# Altium PCB Minion_1_SiC780A_Rev01.PcbDoc (part 2 of 6)
Units mil, origin at the board's own origin, x right, y up, seen from the top; angles counter-clockwise.
Board outline 3937.01 x 3937.01 mil, 4 copper layers (L1, L2, L3, L4), stack 62.087 mil thick; 410 components, 107 nets, 1950 pads, 1997 vias.
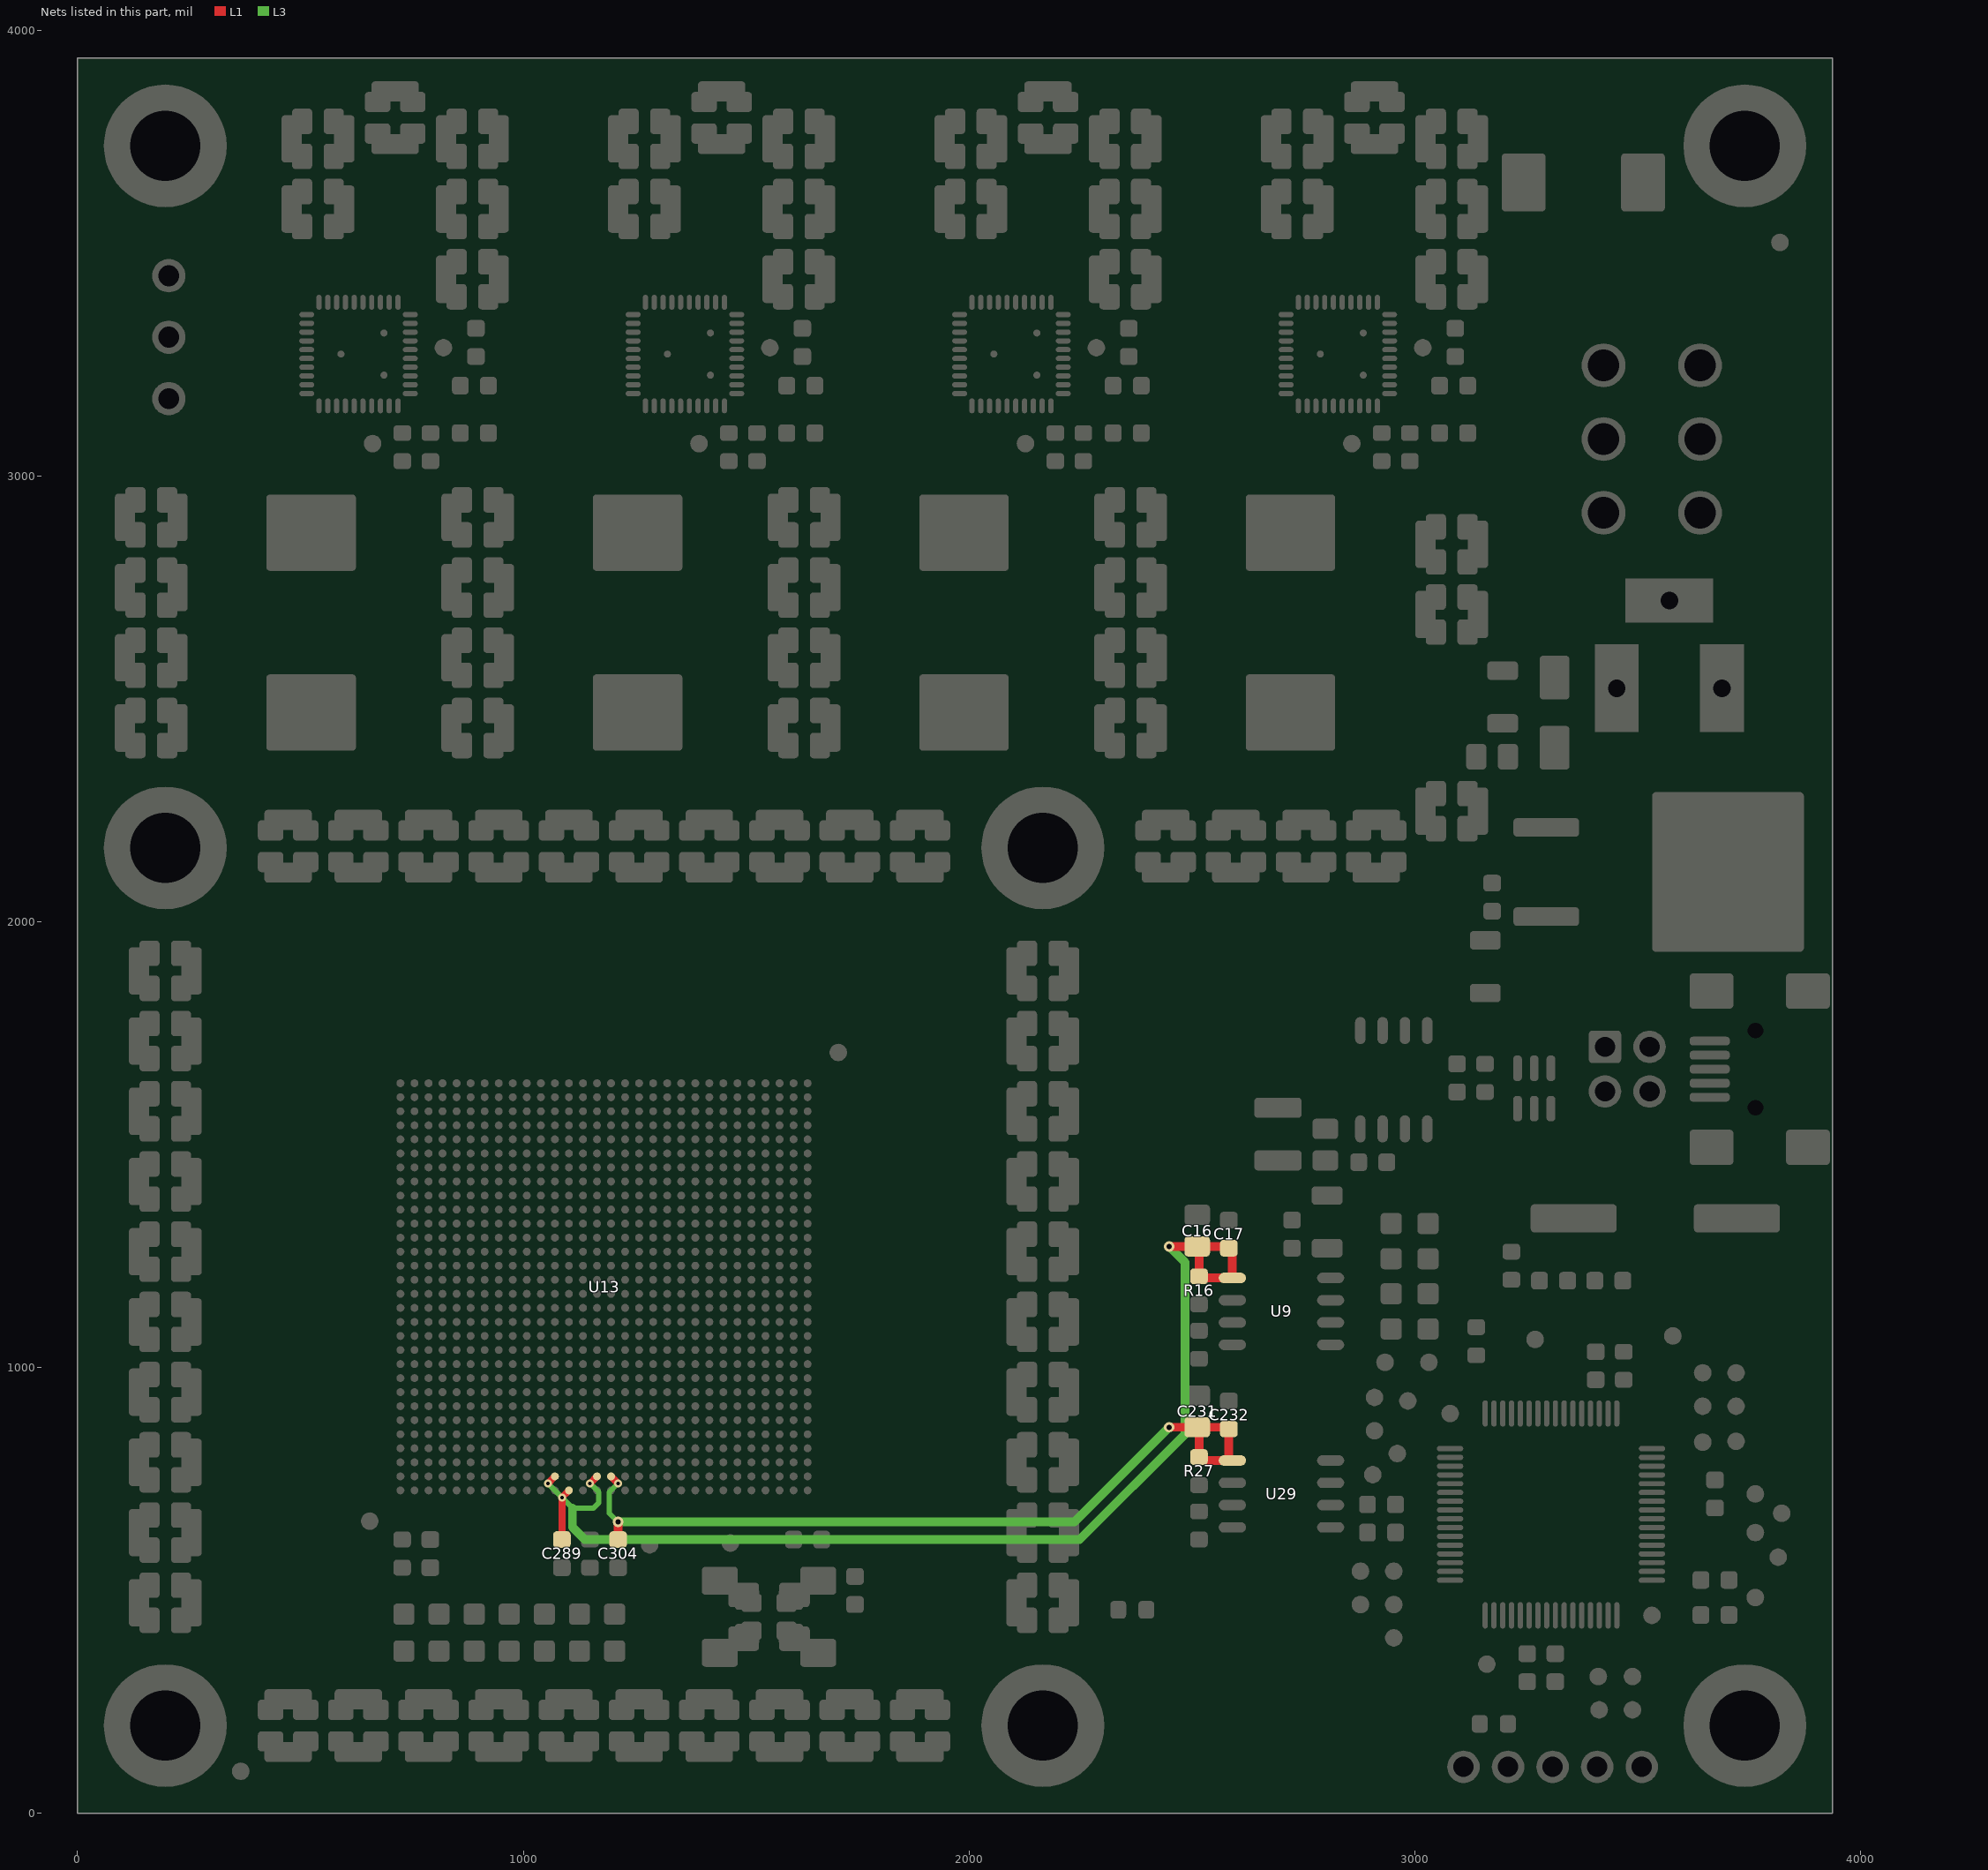
[diagram p4: the nets of this part, all layers, seen from the top]

## Components (designator, comment, footprint, x,y, rotation, side; value= is the part's Value field where it differs from the comment) (continued)
C603 "10uF" SMD_0805_CAPC2012X145N 539.37,3637.8 r180 top
C604 "100nF" SMD_0603_CAPC1608X95N 1744.09,500 r270 top
C605 "100uF" SMD_1210_CAPC3225X270N 539.37,3755.91 r0 top
C606 "10uF" SMD_0805_CAPC2012X145N 539.37,3795.28 r180 top
C608 "100nF" SMD_0603_CAPC1608X95N 3405.51,1003.94 r90 top
C640 "10uF" SMD_0805_CAPC2012X145N 2003.94,3559.06 r180 top
C642 "10uF" SMD_0805_CAPC2012X145N 2003.94,3716.54 r180 top
C652 "22uF" SMD_0805_CAPC2012X145N 511.81,2169.29 r270 top
C653 "220uF" SMD_1210_CAPC3225X279N 472.44,2169.29 r90 top
C654 "22uF" SMD_0805_CAPC2012X145N 433.07,2169.29 r270 top
C655 "22uF" SMD_0805_CAPC2012X145N 165.48,2473.81 r180 top
C656 "220uF" SMD_1210_CAPC3225X279N 165.48,2434.44 r0 top
C657 "22uF" SMD_0805_CAPC2012X145N 165.48,2395.07 r180 top
C658 "22uF" SMD_0805_CAPC2012X145N 826.77,2169.29 r270 top
C659 "220uF" SMD_1210_CAPC3225X279N 787.4,2169.29 r90 top
C660 "22uF" SMD_0805_CAPC2012X145N 748.03,2169.29 r270 top
C711 "10uF" SMD_0805_CAPC2012X145N 539.37,3559.06 r180 top
C814 "10uF" SMD_0805_CAPC2012X145N 539.37,3716.54 r180 top
D1 "Red SML210VT ROHM" SMD_0805_LED2012X100N 2988.19,1086.61 r0 top
D2 "Green  SML210MT ROHM" SMD_0805_LED2012X100N 2988.19,1165.35 r0 top
D3 "Yellow SML210YT ROHM" SMD_0805_LED2012X100N 2988.19,1322.83 r0 top
D4 "Orange  SML210DT ROHM" SMD_0805_LED2012X100N 2988.19,1244.09 r0 top
D5 "Red SML210VT ROHM" SMD_0805_LED2012X100N 1047.24,405.51 r90 top
D6 "SMS05T1G" SMD_SOT457_SOT95P275X110-6N 3267.72,1625.98 r270 top
D7 "Green  SML210MT ROHM" SMD_0805_LED2012X100N 732.28,405.51 r90 top
D8 "D_STKY" SMD_DO214AC_SMA 3313.33,2468.84 r90 top
D9 "Yellow SML210YT ROHM" SMD_0805_LED2012X100N 889.76,405.51 r90 top
D12 "Red SML210VT ROHM" SMD_0805_LED2012X100N 1125.98,405.51 r90 top
D13 "Green  SML210MT ROHM" SMD_0805_LED2012X100N 1204.72,405.51 r90 top
D16 "Yellow SML210YT ROHM" SMD_0805_LED2012X100N 811.02,405.51 r90 top
D17 "Orange  SML210DT ROHM" SMD_0805_LED2012X100N 968.5,405.51 r90 top
D28 "D_TVS_UNI" SMD_DO214AC_SMC 3377.84,3658.13 r180 top
FID1 "FIDUCIAL" FID100X200 366.14,94.49 r0 top
FID2 "FIDUCIAL" FID100X200 3818.9,3523.62 r0 top
J1 "CON_5PINS" PTH_HDRV05W64P254_1X05 3309.06,104.33 r0 top
J2 "CON_USB_MINI_1" SMD_CON-CVILUX-CU04-SCM15B0 3763.78,1669.29 r90 top
J3 "CON_3PINS" PTH_CON_HD-351-3P 204.72,3311.02 r90 top
J4 "CON_2ROWS_4PINS-2" PTH_HDRV40W6240P254_2X02_M 3476.38,1669.29 r270 top
J5 "CON_2ROWS_6PINS_1" PTH_CON_WR-MRC4-6P 3531.5,3082.68 r270 top
J6 "CON_POWER_JACK_3PIN" PTH_DC-POWER-JACK_210-112 3570.87,2523.62 r180 top
J9 "CON_1PIN" PTH_MTG400_700 196.85,196.85 r0 top
J13 "CON_1PIN" PTH_MTG400_700 2165.35,196.85 r0 top
J14 "CON_1PIN" PTH_MTG400_700 2165.35,2165.35 r0 top
J15 "CON_1PIN" PTH_MTG400_700 196.85,2165.35 r0 top
J22 "CON_1PIN" PTH_MTG400_700 3740.16,196.85 r0 top
J23 "CON_1PIN" PTH_MTG400_700 196.85,3740.16 r0 top
J24 "CON_1PIN" PTH_MTG400_700 3740.16,3740.16 r0 top
L3 "DB_VALUE" SMT_INDM135130X800N 1988.64,2670.85 r270 top
L7 "DB_VALUE" SMT_INDM135130X800N 2720.92,2670.85 r270 top
L10 "DB_VALUE" SMT_INDM135130X800N 524.07,2670.85 r270 top
L14 "DB_VALUE" SMT_INDM135130X800N 1256.36,2670.85 r270 top
R1 "10k" SMD_0603_RESC1608X55N 2193.36,3064.55 r270 top
R2 "10k" SMD_0603_RESC1608X55N 728.8,3064.55 r270 top
R3 "100R" SMD_0603_RESC1608X55N 791.79,3064.55 r90 top
R4 "100R" SMD_0603_RESC1608X55N 2256.36,3064.55 r90 top
R5 "10k" SMD_0603_RESC1608X55N 1461.08,3064.55 r270 top
R6 "10k" SMD_0603_RESC1608X55N 2366.14,456.69 r180 top
R7 "100R" SMD_0603_RESC1608X55N 1524.07,3064.55 r90 top
R9 "10k" SMD_0603_RESC1608X55N 3137.8,1059.06 r90 top
R13 "100R" SMD_1206_RESC3216X65N 3196.85,2503.94 r90 top
R14 "0R" SMD_1206_RESC3216X65N 2803.15,1326.77 r90 top
R16 "R_42k" SMD_0603_RESC1608X55N 2515.75,1173.23 r270 top
R17 "30k" SMD_0603_RESC1608X55N 2515.75,1051.18 r270 top
R19 "0R" SMD_0603_RESC1608X55N 1149.61,582.68 r90 top
R23 "10k" SMD_0603_RESC1608X55N 2925.65,3064.55 r270 top
R24 "100R" SMD_0603_RESC1608X55N 2988.64,3064.55 r90 top
R25 "0R" SMD_0603_RESC1608X55N 728.35,582.68 r90 top
R26 "10k" SMD_0603_RESC1608X55N 3216.54,1228.35 r270 top
R27 "2k" SMD_0603_RESC1608X55N 2515.75,767.72 r270 top
R28 "10k" SMD_0603_RESC1608X55N 2515.75,645.67 r270 top
R31 "10k" SMD_0603_RESC1608X55N 3177.17,200.79 r0 top
R32 "10k" SMD_0603_RESC1608X55N 3468.5,1003.94 r270 top
R33 "0R" SMD_0603_RESC1608X55N 3157.48,1649.61 r270 top
R34 "2R" SMD_1206_RESC3216X65N 3157.93,1899.2 r90 top
TP1 "TEST_POINT_1" SMD_TP_100-254 1464.57,606.3 r0 top
TP2 "TEST_POINT_1" SMD_TP_100-254 3645.67,988.19 r180 top
TP3 "TEST_POINT_1" SMD_TP_100-254 2952.76,468.5 r0 top
TP4 "100_254" SMD_TP_100-254 820.87,3287.4 r180 top
TP5 "TEST_POINT_1" SMD_TP_100-254 3411.42,307.09 r0 top
TP6 "TEST_POINT_1" SMD_TP_100-254 3488.19,232.28 r0 top
TP7 "TEST_POINT_1" SMD_TP_100-254 3488.19,307.09 r0 top
TP8 "100_254" SMD_TP_100-254 2285.43,3287.4 r180 top
TP9 "TEST_POINT_1" SMD_TP_100-254 1283.46,602.36 r0 top
TP10 "TEST_POINT_1" SMD_TP_100-254 3814.96,574.8 r0 top
TP11 "TEST_POINT_1" SMD_TP_100-254 3763.78,629.92 r0 top
TP12 "TEST_POINT_1" SMD_TP_100-254 2877.95,543.31 r180 top
TP13 "TEST_POINT_1" SMD_TP_100-254 3269.68,1062.99 r180 top
TP14 "TEST_POINT_1" SMD_TP_100-254 2877.95,468.5 r0 top
TP15 "100_254" SMD_TP_100-254 2126.44,3072.43 r0 top
TP16 "100_254" SMD_TP_100-254 1553.15,3287.4 r180 top
TP17 "TEST_POINT_1" SMD_TP_100-254 2909.45,933.07 r180 top
TP18 "TEST_POINT_1" SMD_TP_100-254 2905.51,759.84 r0 top
TP19 "TEST_POINT_1" SMD_TP_100-254 2960.63,807.09 r0 top
TP20 "TEST_POINT_1" SMD_TP_100-254 3031.5,1011.81 r0 top
TP21 "TEST_POINT_1" SMD_TP_100-254 3578.74,1070.87 r180 top
TP22 "TEST_POINT_1" SMD_TP_100-254 2933.07,1011.81 r180 top
TP23 "TEST_POINT_1" SMD_TP_100-254 2984.25,925.2 r180 top
TP25 "TEST_POINT_1" SMD_TP_100-254 2909.45,858.27 r0 top
TP26 "TEST_POINT_1" SMD_TP_100-254 3763.78,484.25 r0 top
TP27 "100_254" SMD_TP_100-254 2858.72,3072.43 r0 top
TP28 "TEST_POINT_1" SMD_TP_100-254 2952.76,543.31 r0 top
TP29 "TEST_POINT_1" SMD_TP_100-254 3413.39,232.28 r0 top
TP30 "100_254" SMD_TP_100-254 661.87,3072.43 r0 top
TP31 "100_254" SMD_TP_100-254 3017.72,3287.4 r0 top
TP32 "100_254" SMD_TP_100-254 1394.15,3072.43 r0 top
TP123 "TEST_POINT_1" SMD_TP_100-254 3720.47,834.65 r0 top
TP124 "TEST_POINT_1" SMD_TP_100-254 3645.67,832.68 r0 top
TP125 "TEST_POINT_1" SMD_TP_100-254 3720.47,913.39 r0 top
TP126 "TEST_POINT_1" SMD_TP_100-254 3645.67,913.39 r0 top
TP127 "TEST_POINT_1" SMD_TP_100-254 3720.47,988.19 r0 top
TP128 "TEST_POINT_1" SMD_TP_100-254 3161.42,334.65 r0 top
TP129 "TEST_POINT_1" SMD_TP_100-254 2952.76,393.7 r0 top
TP131 "TEST_POINT_1" SMD_TP_100-254 3822.83,673.23 r0 top
TP132 "TEST_POINT_1" SMD_TP_100-254 3763.78,716.54 r0 top
U1 "DB_VALUE" SMD_QFN50P600X600X80-43 2094.94,3273.22 r180 top
U6 "IC_BD33KA5WF" SMD_SOIC127P620X160-8N 2952.76,1645.67 r90 top
U7 "L7805CD2T-TR" SMD_TO254P1542X460-3_4N 3546.81,2111.54 r0 top
U9 "IC_BD18KA5WF" SMD_SOIC127P620X160-8N 2700.79,1125.98 r0 top
U10 "IC_DSPIC33EP256MU806-QFN64" SMD_QFP50P1200X1200X120-64N 3305.41,670.59 r90 top
U13 "Minion_99s256" SMD_BGA900C80P30X30 1181.1,1181.1 r0 top
U17 "DB_VALUE" SMD_QFN50P600X600X80-43 2827.22,3273.22 r180 top
U20 "DB_VALUE" SMD_QFN50P600X600X80-43 630.37,3273.22 r180 top
U24 "DB_VALUE" SMD_QFN50P600X600X80-43 1362.66,3273.22 r180 top
U29 "IC_BD00KA5WF" SMD_SOIC127P620X160-8N 2700.79,716.54 r0 top
Y1 "XTAL" SMD_HC49_XTAL1140X480X420N 3539.37,1334.65 r180 top
YO4 "(OPT)XTAL_TXC 16 MHz_DFN_2X2.5MM" SMD_OSCCF200X250X90-4N 1551.18,440.94 r270 top
YO5 "XTAL_TXC 16 MHz_DFN_2.5X3.2MM" SMD_OSCCF250X320X90-4N 1551.18,440.94 r270 top
YO6 "(OPT)XTAL_TXC 16 MHz_DFN_3.2x5mm" SMD_OSCCF320X400X90-4N 1551.18,440.94 r270 top
YO7 "(OPT)XTAL_TXC 16 MHz_TA_7x5mm" SMD_OSCCC500X700X100-4N 1551.18,440.94 r270 top

## Footprints (in the part's own frame and the unit in brackets; to place one, negate y for a bottom-side part, rotate by r counter-clockwise, add the part's x,y. Pads: shape width x height; smd on the part's side, far side on the other; paste and mask are expansions set on the pad)
FID100X200 [mm]
  round 1 smd paste-0.5 mask+0.5: 1(0,0)
  L1 keep-out region: 1.05,0 0.969,0.406 0.74,0.749 0.396,0.979 -0.01,1.06 -0.01,1.06 -0.415,0.979 -0.759,0.749 -0.989,0.406 -1.069,0 -1.069,0 -0.989,-0.406 -0.759,-0.749 -0.415,-0.979 -0.01,-1.06 -0.01,-1.06 0.396,-0.979 0.74,-0.749 0.969,-0.406 1.05,0
PTH_CON_HD-351-3P [mm]
  round 1.9 hole 1.2 mask+0.075: 1(-3.5,0) 2(0,0) 3(3.5,0)
  silkscreen extent -5.3,0.95 5.3,3.8, body extent -5.25,-3.75 5.25,3.75, height 8.7
PTH_CON_WR-MRC4-6P [mm]
  round 2.5 hole 1.8 mask+0.075: 1(-4.2,2.75) 2(0,2.75) 3(4.2,2.75) 4(-4.2,-2.75) 5(0,-2.75) 6(4.2,-2.75)
  silkscreen extent -7,1.5 6.95,16.7, body extent -6.9,-3.32 6.9,16.65, height 11.35
PTH_DC-POWER-JACK_210-112 [mm]
  rect 2.5x5 hole 1 slot 3.4 at 90 deg mask+0.075: 1(3,0)
  rect 5x2.5 hole 1 slot 2.5 at 0 deg mask+0.075: 2(0,-5)
  rect 2.5x5 hole 1 slot 2.7 at 90 deg mask+0.075: 3(-3,0)
  silkscreen extent -11.2,-6.69 4.67,4.79, body extent -10.66,-5.3 3.84,4.5, height 11
PTH_HDRV05W64P254_1X05 [mm]
  round 1.85 hole 1.15 mask+0.075: 1(-5.08,0) 2(-2.54,0) 3(0,0) 4(2.54,0) 5(5.08,0)
  silkscreen extent -6.35,-1.25 6.35,1.25, body extent -6.35,-1.25 6.35,1.25, height 8
PTH_HDRV40W6240P254_2X02_M [mm]
  rrect22% 1.85x1.85 / inner round 1.85 / far side rrect22% 1.85x1.85 hole 1.15 mask+0.075: 1(-1.27,-1.27)
  round 1.85 hole 1.15 mask+0.075: 2(-1.27,1.27) 3(1.27,-1.27) 4(1.27,1.27)
  silkscreen extent -2.5,-2.55 2.5,2.55, body extent -2.54,-2.54 2.54,2.54, height 8.5
PTH_MTG400_700 [mm]
  round 7 / inner round 5 / far side round 7 hole 4 mask+0.075: 1(0,0)
  silkscreen extent -3.85,-3.85 3.85,3.85
SMD_0603_CAPC1608X95N [mm]
  rrect42% 0.95x1 smd mask+0.075: 1(-0.8,0) 2(0.8,0)
  body extent -0.8,-0.4 0.8,0.4, height 0.95
SMD_0603_RESC1608X55N [mm]
  rrect44% 0.9x1 smd mask+0.075: 1(-0.8,0) 2(0.8,0)
  body extent -0.8,-0.4 0.8,0.4, height 0.55
SMD_0805_CAPC2012X145N [mm]
  rrect35% 1.15x1.45 smd mask+0.075: 1(-0.9,0) 2(0.9,0)
  body extent -1,-0.6 1,0.6, height 1.45
SMD_0805_LED2012X100N [mm]
  rrect33% 1.2x1.2 smd mask+0.075: 1(-1.05,0) 2(1.05,0)
  body extent -1,-0.62 1,0.63, height 0.98
SMD_1206_RESC3216X65N [mm]
  rrect38% 1.05x1.75 smd mask+0.075: 1(-1.5,0) 2(1.5,0)
  silkscreen extent -0.65,-0.85 0.65,0.85, body extent -1.6,-0.8 1.6,0.8, height 0.65
SMD_1210_CAPC3225X270N [mm]
  rrect35% 1.15x2.7 smd mask+0.075: 1(-1.5,0) 2(1.5,0)
  silkscreen extent -0.6,-1.35 0.6,1.35, body extent -1.6,-1.25 1.6,1.25, height 2.7
SMD_1210_CAPC3225X279N [mm]
  rrect35% 1.15x2.7 smd mask+0.075: 1(-1.5,0) 2(1.5,0)
  silkscreen extent -0.6,-1.35 0.6,1.35, body extent -1.6,-1.25 1.6,1.25, height 2.79
SMD_BGA900C80P30X30 [mm]
  round 0.45 smd mask+0.05: A1(-11.6,11.6) A2(-10.8,11.6) A3(-10,11.6) A4(-9.2,11.6) A5(-8.4,11.6) A6(-7.6,11.6) A7(-6.8,11.6) A8(-6,11.6) A9(-5.2,11.6) A10(-4.4,11.6) A11(-3.6,11.6) A12(-2.8,11.6) A13(-2,11.6) A14(-1.2,11.6) A15(-0.4,11.6) A16(0.4,11.6) A17(1.2,11.6) A18(2,11.6) A19(2.8,11.6) A20(3.6,11.6) A21(4.4,11.6) A22(5.2,11.6) A23(6,11.6) A24(6.8,11.6) A25(7.6,11.6) A26(8.4,11.6) A27(9.2,11.6) A28(10,11.6) A29(10.8,11.6) A30(11.6,11.6) AA1(-11.6,-4.4) AA2(-10.8,-4.4) AA3(-10,-4.4) AA4(-9.2,-4.4) AA5(-8.4,-4.4) AA6(-7.6,-4.4) AA7(-6.8,-4.4) AA8(-6,-4.4) AA9(-5.2,-4.4) AA10(-4.4,-4.4) AA11(-3.6,-4.4) AA12(-2.8,-4.4) AA13(-2,-4.4) AA14(-1.2,-4.4) AA15(-0.4,-4.4) AA16(0.4,-4.4) AA17(1.2,-4.4) AA18(2,-4.4) AA19(2.8,-4.4) AA20(3.6,-4.4) AA21(4.4,-4.4) AA22(5.2,-4.4) AA23(6,-4.4) AA24(6.8,-4.4) AA25(7.6,-4.4) AA26(8.4,-4.4) AA27(9.2,-4.4) AA28(10,-4.4) AA29(10.8,-4.4) AA30(11.6,-4.4) AB1(-11.6,-5.2) AB2(-10.8,-5.2) AB3(-10,-5.2) AB4(-9.2,-5.2) AB5(-8.4,-5.2) AB6(-7.6,-5.2) AB7(-6.8,-5.2) AB8(-6,-5.2) AB9(-5.2,-5.2) AB10(-4.4,-5.2) AB11(-3.6,-5.2) AB12(-2.8,-5.2) AB13(-2,-5.2) AB14(-1.2,-5.2) AB15(-0.4,-5.2) AB16(0.4,-5.2) AB17(1.2,-5.2) AB18(2,-5.2) AB19(2.8,-5.2) AB20(3.6,-5.2) AB21(4.4,-5.2) AB22(5.2,-5.2) AB23(6,-5.2) AB24(6.8,-5.2) AB25(7.6,-5.2) AB26(8.4,-5.2) AB27(9.2,-5.2) AB28(10,-5.2) AB29(10.8,-5.2) AB30(11.6,-5.2) AC1(-11.6,-6) AC2(-10.8,-6) AC3(-10,-6) AC4(-9.2,-6) AC5(-8.4,-6) AC6(-7.6,-6) AC7(-6.8,-6) AC8(-6,-6) AC9(-5.2,-6) AC10(-4.4,-6) AC11(-3.6,-6) AC12(-2.8,-6) AC13(-2,-6) AC14(-1.2,-6) AC15(-0.4,-6) AC16(0.4,-6) AC17(1.2,-6) AC18(2,-6) AC19(2.8,-6) AC20(3.6,-6) AC21(4.4,-6) AC22(5.2,-6) AC23(6,-6) AC24(6.8,-6) AC25(7.6,-6) AC26(8.4,-6) AC27(9.2,-6) AC28(10,-6) AC29(10.8,-6) AC30(11.6,-6) AD1(-11.6,-6.8) AD2(-10.8,-6.8) AD3(-10,-6.8) AD4(-9.2,-6.8) AD5(-8.4,-6.8) AD6(-7.6,-6.8) AD7(-6.8,-6.8) AD8(-6,-6.8) AD9(-5.2,-6.8) AD10(-4.4,-6.8) AD11(-3.6,-6.8) AD12(-2.8,-6.8) AD13(-2,-6.8) AD14(-1.2,-6.8) AD15(-0.4,-6.8) AD16(0.4,-6.8) AD17(1.2,-6.8) AD18(2,-6.8) AD19(2.8,-6.8) AD20(3.6,-6.8) AD21(4.4,-6.8) AD22(5.2,-6.8) AD23(6,-6.8) AD24(6.8,-6.8) AD25(7.6,-6.8) AD26(8.4,-6.8) AD27(9.2,-6.8) AD28(10,-6.8) AD29(10.8,-6.8) AD30(11.6,-6.8) AE1(-11.6,-7.6) AE2(-10.8,-7.6) AE3(-10,-7.6) AE4(-9.2,-7.6) AE5(-8.4,-7.6) AE6(-7.6,-7.6) AE7(-6.8,-7.6) AE8(-6,-7.6) AE9(-5.2,-7.6) AE10(-4.4,-7.6) AE11(-3.6,-7.6) AE12(-2.8,-7.6) AE13(-2,-7.6) AE14(-1.2,-7.6) AE15(-0.4,-7.6) AE16(0.4,-7.6) AE17(1.2,-7.6) AE18(2,-7.6) AE19(2.8,-7.6) AE20(3.6,-7.6) AE21(4.4,-7.6) AE22(5.2,-7.6) AE23(6,-7.6) AE24(6.8,-7.6) AE25(7.6,-7.6) AE26(8.4,-7.6) AE27(9.2,-7.6) AE28(10,-7.6) AE29(10.8,-7.6) AE30(11.6,-7.6) AF1(-11.6,-8.4) AF2(-10.8,-8.4) AF3(-10,-8.4) AF4(-9.2,-8.4) AF5(-8.4,-8.4) AF6(-7.6,-8.4) AF7(-6.8,-8.4) AF8(-6,-8.4) AF9(-5.2,-8.4) AF10(-4.4,-8.4) AF11(-3.6,-8.4) AF12(-2.8,-8.4) AF13(-2,-8.4) AF14(-1.2,-8.4) AF15(-0.4,-8.4) AF16(0.4,-8.4) AF17(1.2,-8.4) AF18(2,-8.4) AF19(2.8,-8.4) AF20(3.6,-8.4) AF21(4.4,-8.4) AF22(5.2,-8.4) AF23(6,-8.4) AF24(6.8,-8.4) AF25(7.6,-8.4) AF26(8.4,-8.4) AF27(9.2,-8.4) AF28(10,-8.4) AF29(10.8,-8.4) AF30(11.6,-8.4) AG1(-11.6,-9.2) AG2(-10.8,-9.2) AG3(-10,-9.2) AG4(-9.2,-9.2) AG5(-8.4,-9.2) AG6(-7.6,-9.2) AG7(-6.8,-9.2) AG8(-6,-9.2) AG9(-5.2,-9.2) AG10(-4.4,-9.2) AG11(-3.6,-9.2) AG12(-2.8,-9.2) AG13(-2,-9.2) AG14(-1.2,-9.2) AG15(-0.4,-9.2) AG16(0.4,-9.2) AG17(1.2,-9.2) AG18(2,-9.2) AG19(2.8,-9.2) AG20(3.6,-9.2) AG21(4.4,-9.2) AG22(5.2,-9.2) AG23(6,-9.2) AG24(6.8,-9.2) AG25(7.6,-9.2) AG26(8.4,-9.2) AG27(9.2,-9.2) AG28(10,-9.2) AG29(10.8,-9.2) AG30(11.6,-9.2) AH1(-11.6,-10) AH2(-10.8,-10) AH3(-10,-10) AH4(-9.2,-10) AH5(-8.4,-10) AH6(-7.6,-10) AH7(-6.8,-10) AH8(-6,-10) AH9(-5.2,-10) AH10(-4.4,-10) AH11(-3.6,-10) AH12(-2.8,-10) AH13(-2,-10) AH14(-1.2,-10) AH15(-0.4,-10) AH16(0.4,-10) AH17(1.2,-10) AH18(2,-10) AH19(2.8,-10) AH20(3.6,-10) AH21(4.4,-10) AH22(5.2,-10) AH23(6,-10) AH24(6.8,-10) AH25(7.6,-10) AH26(8.4,-10) AH27(9.2,-10) AH28(10,-10) AH29(10.8,-10) AH30(11.6,-10) AJ1(-11.6,-10.8) AJ2(-10.8,-10.8) AJ3(-10,-10.8) AJ4(-9.2,-10.8) AJ5(-8.4,-10.8) AJ6(-7.6,-10.8) AJ7(-6.8,-10.8) AJ8(-6,-10.8) AJ9(-5.2,-10.8) AJ10(-4.4,-10.8) AJ11(-3.6,-10.8) AJ12(-2.8,-10.8) AJ13(-2,-10.8) AJ14(-1.2,-10.8) AJ15(-0.4,-10.8) AJ16(0.4,-10.8) AJ17(1.2,-10.8) AJ18(2,-10.8) AJ19(2.8,-10.8) AJ20(3.6,-10.8) AJ21(4.4,-10.8) AJ22(5.2,-10.8) AJ23(6,-10.8) AJ24(6.8,-10.8) AJ25(7.6,-10.8) AJ26(8.4,-10.8) AJ27(9.2,-10.8) AJ28(10,-10.8) AJ29(10.8,-10.8) AJ30(11.6,-10.8) AK1(-11.6,-11.6) AK2(-10.8,-11.6) AK3(-10,-11.6) AK4(-9.2,-11.6) AK5(-8.4,-11.6) AK6(-7.6,-11.6) AK7(-6.8,-11.6) AK8(-6,-11.6) AK9(-5.2,-11.6) AK10(-4.4,-11.6) AK11(-3.6,-11.6) AK12(-2.8,-11.6) AK13(-2,-11.6) AK14(-1.2,-11.6) AK15(-0.4,-11.6) AK16(0.4,-11.6) AK17(1.2,-11.6) AK18(2,-11.6) AK19(2.8,-11.6) AK20(3.6,-11.6) AK21(4.4,-11.6) AK22(5.2,-11.6) AK23(6,-11.6) AK24(6.8,-11.6) AK25(7.6,-11.6) AK26(8.4,-11.6) AK27(9.2,-11.6) AK28(10,-11.6) AK29(10.8,-11.6) AK30(11.6,-11.6) B1(-11.6,10.8) B2(-10.8,10.8) B3(-10,10.8) B4(-9.2,10.8) B5(-8.4,10.8) B6(-7.6,10.8) B7(-6.8,10.8) B8(-6,10.8) B9(-5.2,10.8) B10(-4.4,10.8) B11(-3.6,10.8) B12(-2.8,10.8) B13(-2,10.8) B14(-1.2,10.8) B15(-0.4,10.8) B16(0.4,10.8) B17(1.2,10.8) B18(2,10.8) B19(2.8,10.8) B20(3.6,10.8) B21(4.4,10.8) B22(5.2,10.8) B23(6,10.8) B24(6.8,10.8) B25(7.6,10.8) B26(8.4,10.8) B27(9.2,10.8) B28(10,10.8) B29(10.8,10.8) B30(11.6,10.8) C1(-11.6,10) C2(-10.8,10) C3(-10,10) C4(-9.2,10) C5(-8.4,10) C6(-7.6,10) C7(-6.8,10) C8(-6,10) C9(-5.2,10) C10(-4.4,10) C11(-3.6,10) C12(-2.8,10) C13(-2,10) C14(-1.2,10) C15(-0.4,10) C16(0.4,10) C17(1.2,10) C18(2,10) C19(2.8,10) C20(3.6,10) C21(4.4,10) C22(5.2,10) C23(6,10) C24(6.8,10) C25(7.6,10) C26(8.4,10) C27(9.2,10) C28(10,10) C29(10.8,10) C30(11.6,10) D1(-11.6,9.2) D2(-10.8,9.2) D3(-10,9.2) D4(-9.2,9.2) D5(-8.4,9.2) D6(-7.6,9.2) D7(-6.8,9.2) D8(-6,9.2) D9(-5.2,9.2) D10(-4.4,9.2) D11(-3.6,9.2) D12(-2.8,9.2) D13(-2,9.2) D14(-1.2,9.2) D15(-0.4,9.2) D16(0.4,9.2) D17(1.2,9.2) D18(2,9.2) D19(2.8,9.2) D20(3.6,9.2) D21(4.4,9.2) D22(5.2,9.2) D23(6,9.2) D24(6.8,9.2) D25(7.6,9.2) D26(8.4,9.2) D27(9.2,9.2) D28(10,9.2) D29(10.8,9.2) D30(11.6,9.2) E1(-11.6,8.4) E2(-10.8,8.4) E3(-10,8.4) E4(-9.2,8.4) E5(-8.4,8.4) E6(-7.6,8.4) E7(-6.8,8.4) E8(-6,8.4) E9(-5.2,8.4) E10(-4.4,8.4) E11(-3.6,8.4) E12(-2.8,8.4) E13(-2,8.4) E14(-1.2,8.4) E15(-0.4,8.4) E16(0.4,8.4) E17(1.2,8.4) E18(2,8.4) E19(2.8,8.4) E20(3.6,8.4) E21(4.4,8.4) E22(5.2,8.4) E23(6,8.4) E24(6.8,8.4) E25(7.6,8.4) E26(8.4,8.4) E27(9.2,8.4) E28(10,8.4) E29(10.8,8.4) E30(11.6,8.4) F1(-11.6,7.6) F2(-10.8,7.6) F3(-10,7.6) F4(-9.2,7.6) F5(-8.4,7.6) F6(-7.6,7.6) F7(-6.8,7.6) F8(-6,7.6) F9(-5.2,7.6) F10(-4.4,7.6) F11(-3.6,7.6) F12(-2.8,7.6) F13(-2,7.6) F14(-1.2,7.6) F15(-0.4,7.6) F16(0.4,7.6) F17(1.2,7.6) F18(2,7.6) F19(2.8,7.6) F20(3.6,7.6) F21(4.4,7.6) F22(5.2,7.6) F23(6,7.6) F24(6.8,7.6) F25(7.6,7.6) F26(8.4,7.6) F27(9.2,7.6) F28(10,7.6) F29(10.8,7.6) F30(11.6,7.6) G1(-11.6,6.8) G2(-10.8,6.8) G3(-10,6.8) G4(-9.2,6.8) G5(-8.4,6.8) G6(-7.6,6.8) G7(-6.8,6.8) G8(-6,6.8) G9(-5.2,6.8) G10(-4.4,6.8) G11(-3.6,6.8) G12(-2.8,6.8) G13(-2,6.8) G14(-1.2,6.8) G15(-0.4,6.8) G16(0.4,6.8) G17(1.2,6.8) G18(2,6.8) G19(2.8,6.8) G20(3.6,6.8) G21(4.4,6.8) G22(5.2,6.8) G23(6,6.8) G24(6.8,6.8) G25(7.6,6.8) G26(8.4,6.8) G27(9.2,6.8) G28(10,6.8) G29(10.8,6.8) G30(11.6,6.8) H1(-11.6,6) H2(-10.8,6) H3(-10,6) H4(-9.2,6) H5(-8.4,6) H6(-7.6,6) H7(-6.8,6) H8(-6,6) H9(-5.2,6) H10(-4.4,6) H11(-3.6,6) H12(-2.8,6) H13(-2,6) H14(-1.2,6) H15(-0.4,6) H16(0.4,6) H17(1.2,6) H18(2,6) H19(2.8,6) H20(3.6,6) H21(4.4,6) H22(5.2,6) H23(6,6) H24(6.8,6) H25(7.6,6) H26(8.4,6) H27(9.2,6) H28(10,6) H29(10.8,6) H30(11.6,6) J1(-11.6,5.2) J2(-10.8,5.2) J3(-10,5.2) J4(-9.2,5.2) J5(-8.4,5.2) J6(-7.6,5.2) J7(-6.8,5.2) J8(-6,5.2) J9(-5.2,5.2) J10(-4.4,5.2) J11(-3.6,5.2) J12(-2.8,5.2) J13(-2,5.2) J14(-1.2,5.2) J15(-0.4,5.2) J16(0.4,5.2) J17(1.2,5.2) J18(2,5.2) J19(2.8,5.2) J20(3.6,5.2) J21(4.4,5.2) J22(5.2,5.2) J23(6,5.2) J24(6.8,5.2) J25(7.6,5.2) J26(8.4,5.2) J27(9.2,5.2) J28(10,5.2) J29(10.8,5.2) J30(11.6,5.2) K1(-11.6,4.4) K2(-10.8,4.4) K3(-10,4.4) K4(-9.2,4.4) K5(-8.4,4.4) K6(-7.6,4.4) K7(-6.8,4.4) K8(-6,4.4) K9(-5.2,4.4) K10(-4.4,4.4) K11(-3.6,4.4) K12(-2.8,4.4) K13(-2,4.4) K14(-1.2,4.4) K15(-0.4,4.4) K16(0.4,4.4) K17(1.2,4.4) K18(2,4.4) K19(2.8,4.4) K20(3.6,4.4) K21(4.4,4.4) K22(5.2,4.4) K23(6,4.4) K24(6.8,4.4) K25(7.6,4.4) K26(8.4,4.4) K27(9.2,4.4) K28(10,4.4) K29(10.8,4.4) K30(11.6,4.4) L1(-11.6,3.6) L2(-10.8,3.6) L3(-10,3.6) L4(-9.2,3.6) L5(-8.4,3.6) L6(-7.6,3.6) L7(-6.8,3.6) L8(-6,3.6) L9(-5.2,3.6) L10(-4.4,3.6) L11(-3.6,3.6) L12(-2.8,3.6) L13(-2,3.6) L14(-1.2,3.6) L15(-0.4,3.6) L16(0.4,3.6) L17(1.2,3.6) L18(2,3.6) L19(2.8,3.6) L20(3.6,3.6) L21(4.4,3.6) L22(5.2,3.6) L23(6,3.6) L24(6.8,3.6) L25(7.6,3.6) L26(8.4,3.6) L27(9.2,3.6) L28(10,3.6) L29(10.8,3.6) L30(11.6,3.6) M1(-11.6,2.8) M2(-10.8,2.8) M3(-10,2.8) M4(-9.2,2.8) M5(-8.4,2.8) M6(-7.6,2.8) M7(-6.8,2.8) M8(-6,2.8) M9(-5.2,2.8) M10(-4.4,2.8) M11(-3.6,2.8) M12(-2.8,2.8) M13(-2,2.8) M14(-1.2,2.8) M15(-0.4,2.8) M16(0.4,2.8) M17(1.2,2.8) M18(2,2.8) M19(2.8,2.8) M20(3.6,2.8) M21(4.4,2.8) M22(5.2,2.8) M23(6,2.8) M24(6.8,2.8) M25(7.6,2.8) M26(8.4,2.8) M27(9.2,2.8) M28(10,2.8) M29(10.8,2.8) M30(11.6,2.8) N1(-11.6,2) N2(-10.8,2) N3(-10,2) N4(-9.2,2) N5(-8.4,2) N6(-7.6,2) N7(-6.8,2) N8(-6,2) N9(-5.2,2) N10(-4.4,2) N11(-3.6,2) N12(-2.8,2) N13(-2,2) N14(-1.2,2) N15(-0.4,2) N16(0.4,2) N17(1.2,2) N18(2,2) N19(2.8,2) N20(3.6,2) N21(4.4,2) N22(5.2,2) N23(6,2) N24(6.8,2) N25(7.6,2) N26(8.4,2) N27(9.2,2) N28(10,2) N29(10.8,2) N30(11.6,2) P1(-11.6,1.2) P2(-10.8,1.2) P3(-10,1.2) P4(-9.2,1.2) P5(-8.4,1.2) P6(-7.6,1.2) P7(-6.8,1.2) P8(-6,1.2) P9(-5.2,1.2) P10(-4.4,1.2) P11(-3.6,1.2) P12(-2.8,1.2) P13(-2,1.2) P14(-1.2,1.2) P15(-0.4,1.2) P16(0.4,1.2) P17(1.2,1.2) P18(2,1.2) P19(2.8,1.2) P20(3.6,1.2) P21(4.4,1.2) P22(5.2,1.2) P23(6,1.2) P24(6.8,1.2) P25(7.6,1.2) P26(8.4,1.2) P27(9.2,1.2) P28(10,1.2) P29(10.8,1.2) P30(11.6,1.2) R1(-11.6,0.4) R2(-10.8,0.4) R3(-10,0.4) R4(-9.2,0.4) R5(-8.4,0.4) R6(-7.6,0.4) R7(-6.8,0.4) R8(-6,0.4) R9(-5.2,0.4) R10(-4.4,0.4) R11(-3.6,0.4) R12(-2.8,0.4) R13(-2,0.4) R14(-1.2,0.4) R15(-0.4,0.4) R16(0.4,0.4) R17(1.2,0.4) R18(2,0.4) R19(2.8,0.4) R20(3.6,0.4) R21(4.4,0.4) R22(5.2,0.4) R23(6,0.4) R24(6.8,0.4) R25(7.6,0.4) R26(8.4,0.4) R27(9.2,0.4) R28(10,0.4) R29(10.8,0.4) R30(11.6,0.4) T1(-11.6,-0.4) T2(-10.8,-0.4) T3(-10,-0.4) T4(-9.2,-0.4) T5(-8.4,-0.4) T6(-7.6,-0.4) T7(-6.8,-0.4) T8(-6,-0.4) T9(-5.2,-0.4) T10(-4.4,-0.4) T11(-3.6,-0.4) T12(-2.8,-0.4) T13(-2,-0.4) T14(-1.2,-0.4) T15(-0.4,-0.4) T16(0.4,-0.4) T17(1.2,-0.4) T18(2,-0.4) T19(2.8,-0.4) T20(3.6,-0.4) T21(4.4,-0.4) T22(5.2,-0.4) T23(6,-0.4) T24(6.8,-0.4) T25(7.6,-0.4) T26(8.4,-0.4) T27(9.2,-0.4) T28(10,-0.4) T29(10.8,-0.4) T30(11.6,-0.4) U1(-11.6,-1.2) U2(-10.8,-1.2) U3(-10,-1.2) U4(-9.2,-1.2) U5(-8.4,-1.2) U6(-7.6,-1.2) U7(-6.8,-1.2) U8(-6,-1.2) U9(-5.2,-1.2) U10(-4.4,-1.2) U11(-3.6,-1.2) U12(-2.8,-1.2) U13(-2,-1.2) U14(-1.2,-1.2) U15(-0.4,-1.2) U16(0.4,-1.2) U17(1.2,-1.2) U18(2,-1.2) U19(2.8,-1.2) U20(3.6,-1.2) U21(4.4,-1.2) U22(5.2,-1.2) U23(6,-1.2) U24(6.8,-1.2) U25(7.6,-1.2) U26(8.4,-1.2) U27(9.2,-1.2) U28(10,-1.2) U29(10.8,-1.2) U30(11.6,-1.2) V1(-11.6,-2) V2(-10.8,-2) V3(-10,-2) V4(-9.2,-2) V5(-8.4,-2) V6(-7.6,-2) V7(-6.8,-2) V8(-6,-2) V9(-5.2,-2) V10(-4.4,-2) V11(-3.6,-2) V12(-2.8,-2) V13(-2,-2) V14(-1.2,-2) V15(-0.4,-2) V16(0.4,-2) V17(1.2,-2) V18(2,-2) V19(2.8,-2) V20(3.6,-2) V21(4.4,-2) V22(5.2,-2) V23(6,-2) V24(6.8,-2) V25(7.6,-2) V26(8.4,-2) V27(9.2,-2) V28(10,-2) V29(10.8,-2) V30(11.6,-2) W1(-11.6,-2.8) W2(-10.8,-2.8) W3(-10,-2.8) W4(-9.2,-2.8) W5(-8.4,-2.8) W6(-7.6,-2.8) W7(-6.8,-2.8) W8(-6,-2.8) W9(-5.2,-2.8) W10(-4.4,-2.8) W11(-3.6,-2.8) W12(-2.8,-2.8) W13(-2,-2.8) W14(-1.2,-2.8) W15(-0.4,-2.8) W16(0.4,-2.8) W17(1.2,-2.8) W18(2,-2.8) W19(2.8,-2.8) W20(3.6,-2.8) W21(4.4,-2.8) W22(5.2,-2.8) W23(6,-2.8) W24(6.8,-2.8) W25(7.6,-2.8) W26(8.4,-2.8) W27(9.2,-2.8) W28(10,-2.8) W29(10.8,-2.8) W30(11.6,-2.8) Y1(-11.6,-3.6) Y2(-10.8,-3.6) Y3(-10,-3.6) Y4(-9.2,-3.6) Y5(-8.4,-3.6) Y6(-7.6,-3.6) Y7(-6.8,-3.6) Y8(-6,-3.6) Y9(-5.2,-3.6) Y10(-4.4,-3.6) Y11(-3.6,-3.6) Y12(-2.8,-3.6) Y13(-2,-3.6) Y14(-1.2,-3.6) Y15(-0.4,-3.6) Y16(0.4,-3.6) Y17(1.2,-3.6) Y18(2,-3.6) Y19(2.8,-3.6) Y20(3.6,-3.6) Y21(4.4,-3.6) Y22(5.2,-3.6) Y23(6,-3.6) Y24(6.8,-3.6) Y25(7.6,-3.6) Y26(8.4,-3.6) Y27(9.2,-3.6) Y28(10,-3.6) Y29(10.8,-3.6) Y30(11.6,-3.6)
  round 1 smd mask+0.5: FID1(-13.35,-13.35) FID2(13.35,13.35)
  L1 keep-out region: 14.35,13.35 14.274,13.733 14.057,14.057 13.733,14.274 13.35,14.35 13.35,14.35 12.967,14.274 12.643,14.057 12.426,13.733 12.35,13.35 12.35,13.35 12.426,12.967 12.643,12.643 12.967,12.426 13.35,12.35 13.35,12.35 13.733,12.426 14.057,12.643 14.274,12.967 14.35,13.35
  L1 keep-out region: -12.35,-13.35 -12.426,-12.967 -12.643,-12.643 -12.967,-12.426 -13.35,-12.35 -13.35,-12.35 -13.733,-12.426 -14.057,-12.643 -14.274,-12.967 -14.35,-13.35 -14.35,-13.35 -14.274,-13.733 -14.057,-14.057 -13.733,-14.274 -13.35,-14.35 -13.35,-14.35 -12.967,-14.274 -12.643,-14.057 -12.426,-13.733 -12.35,-13.35
  silkscreen extent -13.22,-12.5 12.5,12.5, body extent -12.5,-12.5 12.5,12.5, height 2.4
SMD_CON-CVILUX-CU04-SCM15B0 [mm]
  rrect80% 0.5x2.3 smd mask+0.075: 1(-1.6,2.6) 2(-0.8,2.6) 3(0,2.6) 4(0.8,2.6) 5(1.6,2.6)
  rrect20% 2x2.5 smd mask+0.075: 6(4.45,2.5) 7(4.45,-3) 8(-4.45,-3) 9(-4.45,2.5)
  round 0.5 hole 0.9 unplated mask+0.275: 10(-2.2,0) 11(2.2,0)
  silkscreen extent -3.85,-4.7 3.85,4.15, body extent -4.95,-5.9 4.95,3.1, height 3.95
SMD_DO214AC_SMA [mm]
  rrect24% 2.5x1.7 smd mask+0.075: 1(-2,0) 2(2,0)
  silkscreen extent -3.25,-1.45 2.3,1.45, body extent -2.64,-1.39 2.64,1.4, height 2.29
SMD_DO214AC_SMC [mm]
  rrect16% 2.5x3.3 smd mask+0.075: 1(-3.4,0) 2(3.4,0)
  silkscreen extent -4.5,-3.1 3.55,3.1, body extent -4.06,-3.11 4.07,3.11, height 2.62
SMD_HC49_XTAL1140X480X420N [mm]
  rrect25% 4.9x1.6 smd mask+0.075: 1(-4.65,0) 2(4.65,0)
  silkscreen extent -5.7,-2.35 5.7,2.35, body extent -6.5,-2.4 6.5,2.4, height 4.2
SMD_OSCCC500X700X100-4N [mm]
  rrect25% 1.6x2.05 smd mask+0.075: 1(-2.05,2.8) 2(-2.05,-2.8) 3(2.05,-2.8) 4(2.05,2.8)
  silkscreen extent -3.47,-3.6 2.5,3.6
SMD_OSCCF200X250X90-4N [mm]
  rrect38% 1.05x1.15 smd mask+0.075: 1(-0.8,1) 2(-0.8,-1) 3(0.8,-1) 4(0.8,1)
  silkscreen extent -1.97,0.88 -1.73,1.13, body extent -1.07,-1.32 1.07,1.32, height 0.9
SMD_OSCCF250X320X90-4N [mm]
  rrect33% 1.2x1.4 smd mask+0.075: 1(-1,1.25) 2(-1,-1.25) 3(1,-1.25) 4(1,1.25)
  silkscreen extent -2.22,1.13 -1.98,1.38, body extent -1.32,-1.67 1.32,1.67, height 0.9
SMD_OSCCF320X400X90-4N [mm]
  rrect29% 1.4x1.75 smd mask+0.075: 1(-1.25,1.45) 2(-1.25,-1.45) 3(1.25,-1.45) 4(1.25,1.45)
  silkscreen extent -2.57,1.33 -2.33,1.58, body extent -1.67,-2.07 1.67,2.07, height 0.9
SMD_QFN50P600X600X80-43 [mm]
  oval 0.85x0.3 smd mask+0.05: 1(-2.95,2.25) 2(-2.95,1.75) 3(-2.95,1.25) 4(-2.95,0.75) 5(-2.95,0.25) 6(-2.95,-0.25) 7(-2.95,-0.75) 8(-2.95,-1.25) 9(-2.95,-1.75) 10(-2.95,-2.25) 21(2.95,-2.25) 22(2.95,-1.75) 23(2.95,-1.25) 24(2.95,-0.75) 25(2.95,-0.25) 26(2.95,0.25) 27(2.95,0.75) 28(2.95,1.25) 29(2.95,1.75) 30(2.95,2.25)
  oval 0.3x0.85 smd mask+0.05: 11(-2.25,-2.95) 12(-1.75,-2.95) 13(-1.25,-2.95) 14(-0.75,-2.95) 15(-0.25,-2.95) 16(0.25,-2.95) 17(0.75,-2.95) 18(1.25,-2.95) 19(1.75,-2.95) 20(2.25,-2.95) 31(2.25,2.95) 32(1.75,2.95) 33(1.25,2.95) 34(0.75,2.95) 35(0.25,2.95) 36(-0.25,2.95) 37(-0.75,2.95) 38(-1.25,2.95) 39(-1.75,2.95) 40(-2.25,2.95)
  round 0.4 smd: 41(-1.45,1.2) 42(-1.45,-1.2)
  round 0.4 smd paste-0.4: 43(1,0)
  L1 region: -0.21,-2.025 -0.21,2.225 2.025,2.229 2.103,2.213 2.169,2.169 2.213,2.103 2.229,2.025 2.225,2.025 2.229,-2.025 2.213,-2.103 2.169,-2.169 2.103,-2.213 2.025,-2.229 2.025,-2.225 0,-2.228 -0.005,-2.229 -0.085,-2.213 -0.153,-2.168 -0.198,-2.1 -0.213,-2.025 -0.21,-2.025
  L1 region: -2.23,-1.969 -2.21,-2.069 -2.154,-2.154 -2.069,-2.21 -1.969,-2.23 -1.969,-2.225 -0.9,-2.226 -0.843,-2.215 -0.781,-2.174 -0.74,-2.112 -0.726,-2.04 -0.729,-2.025 -0.73,-2.025 -0.729,-0.35 -0.739,-0.297 -0.774,-0.244 -0.827,-0.209 -0.89,-0.197 -0.9,-0.199 -0.9,-0.2 -2.025,-0.2 -2.05,-0.195 -2.119,-0.209 -2.177,-0.248 -2.217,-0.306 -2.225,-0.35 -2.225,-0.35 -2.225,-1.969
  L1 region: -2.225,2.025 -2.025,2.225 -0.9,2.226 -0.843,2.215 -0.781,2.174 -0.74,2.112 -0.726,2.04 -0.729,2.025 -0.73,2.025 -0.729,0.35 -0.739,0.297 -0.774,0.244 -0.827,0.209 -0.89,0.197 -0.9,0.199 -0.9,0.2 -2.025,0.2 -2.05,0.195 -2.119,0.209 -2.177,0.248 -2.217,0.306 -2.225,0.35 -2.225,0.35 -2.225,2.025
  silkscreen extent -3.48,-3 3,3.47, body extent -3.02,-3.02 3.02,3.02, height 0.8
SMD_QFP50P1200X1200X120-64N [mm]
  oval 1.5x0.3 smd mask+0.05: 1(-5.75,3.75) 2(-5.75,3.25) 3(-5.75,2.75) 4(-5.75,2.25) 5(-5.75,1.75) 6(-5.75,1.25) 7(-5.75,0.75) 8(-5.75,0.25) 9(-5.75,-0.25) 10(-5.75,-0.75) 11(-5.75,-1.25) 12(-5.75,-1.75) 13(-5.75,-2.25) 14(-5.75,-2.75) 15(-5.75,-3.25) 16(-5.75,-3.75) 33(5.75,-3.75) 34(5.75,-3.25) 35(5.75,-2.75) 36(5.75,-2.25) 37(5.75,-1.75) 38(5.75,-1.25) 39(5.75,-0.75) 40(5.75,-0.25) 41(5.75,0.25) 42(5.75,0.75) 43(5.75,1.25) 44(5.75,1.75) 45(5.75,2.25) 46(5.75,2.75) 47(5.75,3.25) 48(5.75,3.75)
  oval 0.3x1.5 smd mask+0.05: 17(-3.75,-5.75) 18(-3.25,-5.75) 19(-2.75,-5.75) 20(-2.25,-5.75) 21(-1.75,-5.75) 22(-1.25,-5.75) 23(-0.75,-5.75) 24(-0.25,-5.75) 25(0.25,-5.75) 26(0.75,-5.75) 27(1.25,-5.75) 28(1.75,-5.75) 29(2.25,-5.75) 30(2.75,-5.75) 31(3.25,-5.75) 32(3.75,-5.75) 49(3.75,5.75) 50(3.25,5.75) 51(2.75,5.75) 52(2.25,5.75) 53(1.75,5.75) 54(1.25,5.75) 55(0.75,5.75) 56(0.25,5.75) 57(-0.25,5.75) 58(-0.75,5.75) 59(-1.25,5.75) 60(-1.75,5.75) 61(-2.25,5.75) 62(-2.75,5.75) 63(-3.25,5.75) 64(-3.75,5.75)
  round 1 smd paste-0.5 mask+0.5: 65(-5.75,-5.75) 66(5.75,5.75)
  L1 keep-out region: -4.75,-5.75 -4.826,-5.367 -5.043,-5.043 -5.367,-4.826 -5.75,-4.75 -5.75,-4.75 -6.133,-4.826 -6.457,-5.043 -6.674,-5.367 -6.75,-5.75 -6.75,-5.75 -6.674,-6.133 -6.457,-6.457 -6.133,-6.674 -5.75,-6.75 -5.75,-6.75 -5.367,-6.674 -5.043,-6.457 -4.826,-6.133 -4.75,-5.75
  L1 keep-out region: 6.75,5.75 6.674,6.133 6.457,6.457 6.133,6.674 5.75,6.75 5.75,6.75 5.367,6.674 5.043,6.457 4.826,6.133 4.75,5.75 4.75,5.75 4.826,5.367 5.043,5.043 5.367,4.826 5.75,4.75 5.75,4.75 6.133,4.826 6.457,5.043 6.674,5.367 6.75,5.75
  silkscreen extent -6.45,-5.15 5.15,5.15, body extent -6,-6 6,6, height 1.2
SMD_SOIC127P620X160-8N [mm]
  oval 1.55x0.6 smd mask+0.075: 1(-2.8,1.905) 2(-2.8,0.635) 3(-2.8,-0.635) 4(-2.8,-1.905) 5(2.8,-1.905) 6(2.8,-0.635) 7(2.8,0.635) 8(2.8,1.905)
  silkscreen extent -3.5,-2.55 2.05,2.55, body extent -3.1,-2.5 3.1,2.5, height 1.7
SMD_SOT457_SOT95P275X110-6N [mm]
  rrect80% 1.45x0.5 smd mask+0.075: 1(-1.15,0.95) 2(-1.15,0) 3(-1.15,-0.95) 4(1.15,-0.95) 5(1.15,0) 6(1.15,0.95)
  silkscreen extent -1.9,-1.6 0.85,1.6, body extent -1.37,-1.45 1.38,1.45, height 1.1
SMD_TO254P1542X460-3_4N [mm]
  rrect38% 3.75x1.05 smd mask+0.075: 1(-6.4,2.54) 3(-6.4,-2.54)
  rrect5% 8.65x9.1 smd paste-4.55 mask+0.075: 4(3.95,0)
  silkscreen extent -8.12,-5.2 -2.45,5.2, body extent -7.65,-5.1 7.65,5.1, height 4.6
SMD_TP_100-254 [mm]
  round 1 smd paste-0.55 mask+0.075: 1(0,0)
  silkscreen extent -0.82,-0.82 0.82,0.82, body extent -0.5,-0.5 0.5,0.5, height 0.05
SMT_INDM135130X800N [mm]
  rrect9% 4.35x5.1 smd mask+0.075: 1(-5.125,0) 2(5.125,0)
  silkscreen extent -6.73,-6.48 6.73,6.48, body extent -6.26,-6.25 6.26,6.25, height 8

## Part data
C1 C2 C12 C15 C22 C54 C85 C117: library part CAP000043646
C3: library part CAP000024113
C4 C14 C16 C18 C19 C33 C34 C35 C36 C37 C38 C39 C40 C44 C45 C46 C48 C53 C55 C56 C57 C59 C60 C61 C62 C63 C64 C65 C66 C67 C72 C73 C74 C75 C76 C77 C78 C79 C80 C81 C82 C83 C84 C86 C87 C88 C90 C91 C94 C95 C103 C104 C105 C106 C107 C128 C129 C130 C131 C135 C136 C137 C138 C139 C141 C142 C143 C144 C145 C146 C147 C148 C149 C150 C151 C152 C153 C154 C155 C166 C167 C168 C169 C170 C171 C172 C173 C175 C176 C177 C178 C179 C180 C181 C182 C183 C184 C185 C186 C187 C188 C189 C197 C199 C200 C202 C203 C205 C231 C263 C264 C265 C266 C268 C269 C271 C272 C274 C275 C331 C332 C333 C334 C652 C654 C655 C657 C658 C660: library part CAP000043686
C5 C6 C7 C8 C9 C17 C232 C289 C303 C304 C594 C604 C608: library part CAP000027236
C10 C11: library part CAP000031922
C13 C132 C140 C156 C157 C158 C159 C160 C161 C162 C163 C164 C165 C174 C190 C191 C192 C193 C194 C195 C196 C198 C201 C204 C206 C207 C208 C209 C210 C211 C212 C213 C214 C215 C216 C217 C218 C219 C220 C221 C222 C223 C224 C225 C260 C261 C262 C267 C270 C273 C276 C375 C376 C377 C381 C382 C397 C398 C399 C400 C401 C653 C656 C659: library part CAP000047355
C20 C21 C23 C24 C25 C27 C28 C29 C31 C49 C50 C51 C52 C68 C69 C70 C71 C97 C98 C100 C108 C109 C110 C111 C112 C113 C114 C115 C116 C118 C119 C120 C122 C123 C124 C126 C127 C378 C379 C380 C592 C598 C600 C603 C606 C640 C642 C711 C814: library part CAP000043636
C26 C58 C89 C121: library part CAP000022706
C30 C93 C125 C257: library part CAP000022968
C32 C41 C42 C43 C47 C92 C96 C99 C101 C102 C133 C134 C258 C259 C373 C374 C404 C405 C406 C407 C596 C599 C602 C605: library part TMP-2512
C347: library part CAP000043344
D1 D5 D12: library part OPT000000095
D2 D4 D7 D13 D17: library part OPT000000096
D3 D9 D16: library part OPT000000092
D6: library part DDE000002846
D8: library part DDE000000580
D28: library part DDE000001725
FID1 FID2: library part FID000000001
J1: library part CON000000006
J2: library part CON000000048
J3: library part CON000000272
J4: library part CON000000298
J5: library part CON000000271
J6: library part CON000000026
J9 J13 J14 J15 J22 J23 J24: library part MTH000000030
L3 L7 L10 L14: library part L
R1 R2 R5 R6 R9 R23 R26 R28 R31 R32: library part RES000008663
R3 R4 R7 R24: library part RES000006398
R13: library part RES000006922
R14: library part RES000008756
R17: library part RES000006287
R19 R25: library part RES000006349
R27: library part RES000008586
R33: library part RES000008926
R34: library part RES000007051
TP1 TP2 TP3 TP4 TP5 TP6 TP7 TP8 TP9 TP10 TP11 TP12 TP13 TP14 TP15 TP16 TP17 TP18 TP19 TP20 TP21 TP22 TP23 TP25 TP26 TP27 TP28 TP29 TP30 TP31 TP32 TP123 TP124 TP125 TP126 TP127 TP128 TP129 TP131 TP132: library part TPO000000001
U1 U17 U20 U24: library part IC_SiC780
U6: library part PSU000000127
U7: library part PSU000000129
U9 U29: library part PSU000000128
U10: library part MCU000000070
Y1: library part OSC000000012
YO4: library part SMD_OSC_DFN_2X2.5MM
YO5: library part SMD_OSC_DFN_2.5X3.2MM
YO6: library part SMD_OSC_DFN_3.2x5mm
YO7: library part SMD_OSC_TA_7x5mm

## Via types
v1: diameter 23.62/23.62/23.62/23.62 (per signal layer), hole 11.81, L1 to L4, 1110 vias
v2: diameter 17.72/17.72/17.72/17.72 (per signal layer), hole 7.87, L1 to L4, 887 vias

## Nets (pads, with @x,y where several pads share a name; then routed paths per layer and width w, separated by ;. In a path a pad name is that pad's centre, name@x,y a point inside that pad or via, vN(x,y) a via of type N, cw(c..) or ccw(c..) an arc to the next point about the centre after c; other vN are vias at no path point)
0.9V: C231.1 C232.1 C304.2 R27.1 U13.AJ16 U29.1 | length 1841.5
  L1 w15.75: U13.AJ16@1196.85,755.91 v2(1212.6,740.16)
  L1 w19.68: C304.2@1212.6,614.17 v1(1212.6,653.54) ; v1(2448.82,866.14) C231.1@2511.81,866.14 ; U29.1@2590.55,791.54 U29.1@2582.68,791.54 ; C231.1@2511.81,866.14 2578.74,866.14 C232.1@2582.68,862.2 U29.1@2582.68,791.54 ; C231.1@2511.81,866.14 2515.75,862.2 R27.1@2515.75,799.21 2523.43,791.54 U29.1@2582.68,791.54
  L3 w11.81: v1(1212.6,653.54) 1192.91,673.23 1192.91,720.47 v2(1212.6,740.16)
  L3 w19.68: v1(1212.6,653.54) 2236.22,653.54 v1(2448.82,866.14)
1.8V: C16.1 C17.1 C289.2 R16.1 U9.1 U13.AJ12 U13.AJ15 U13.AK13 | length 2678.4
  L1 w15.75: v2(1055.12,740.16) U13.AJ12@1070.87,755.91 ; C289.2@1086.61,614.17 v2(1086.61,708.66) U13.AK13@1102.36,724.41 ; v2(1149.61,740.16) U13.AJ15@1165.35,755.91
  L1 w19.68: v1(2448.82,1271.65) C16.1@2511.81,1271.65 C16.1@2515.75,1271.65 ; C16.1@2515.75,1271.65 2586.61,1271.65 C17.1@2582.68,1267.72 2590.55,1267.72 U9.1@2590.55,1200.98 2519.49,1200.98 R16.1@2515.75,1204.72 C16.1@2515.75,1271.65
  L3 w11.81: v2(1055.12,740.16) v2(1086.61,708.66) 1110.24,685.04 1157.48,685.04 1169.29,696.85 1169.29,720.47 v2(1149.61,740.16)
  L3 w19.68: 1110.24,685.04 1110.24,641.73 1137.8,614.17 2248.03,614.17 2484.25,850.39 2484.25,1236.22 v1(2448.82,1271.65)